# KiCad board MainPCB.kicad_pcb
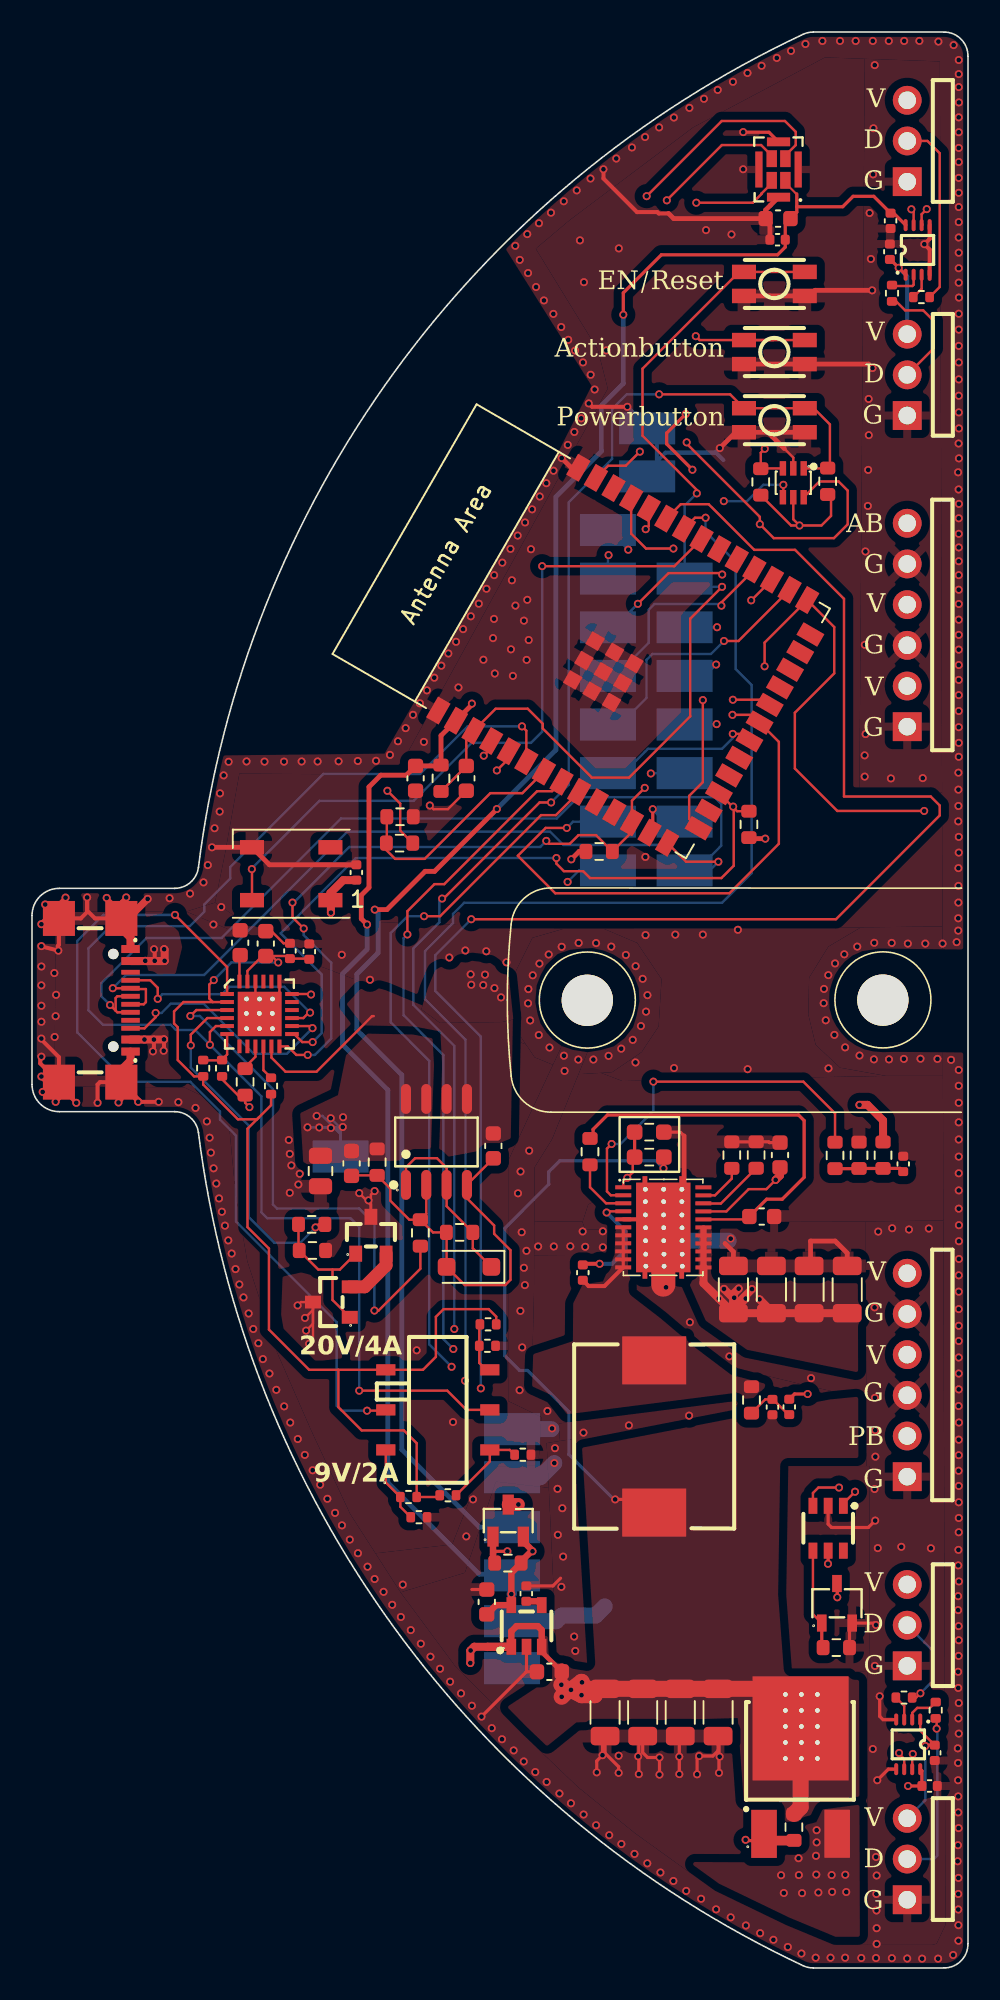
[diagram p0: board, top side]
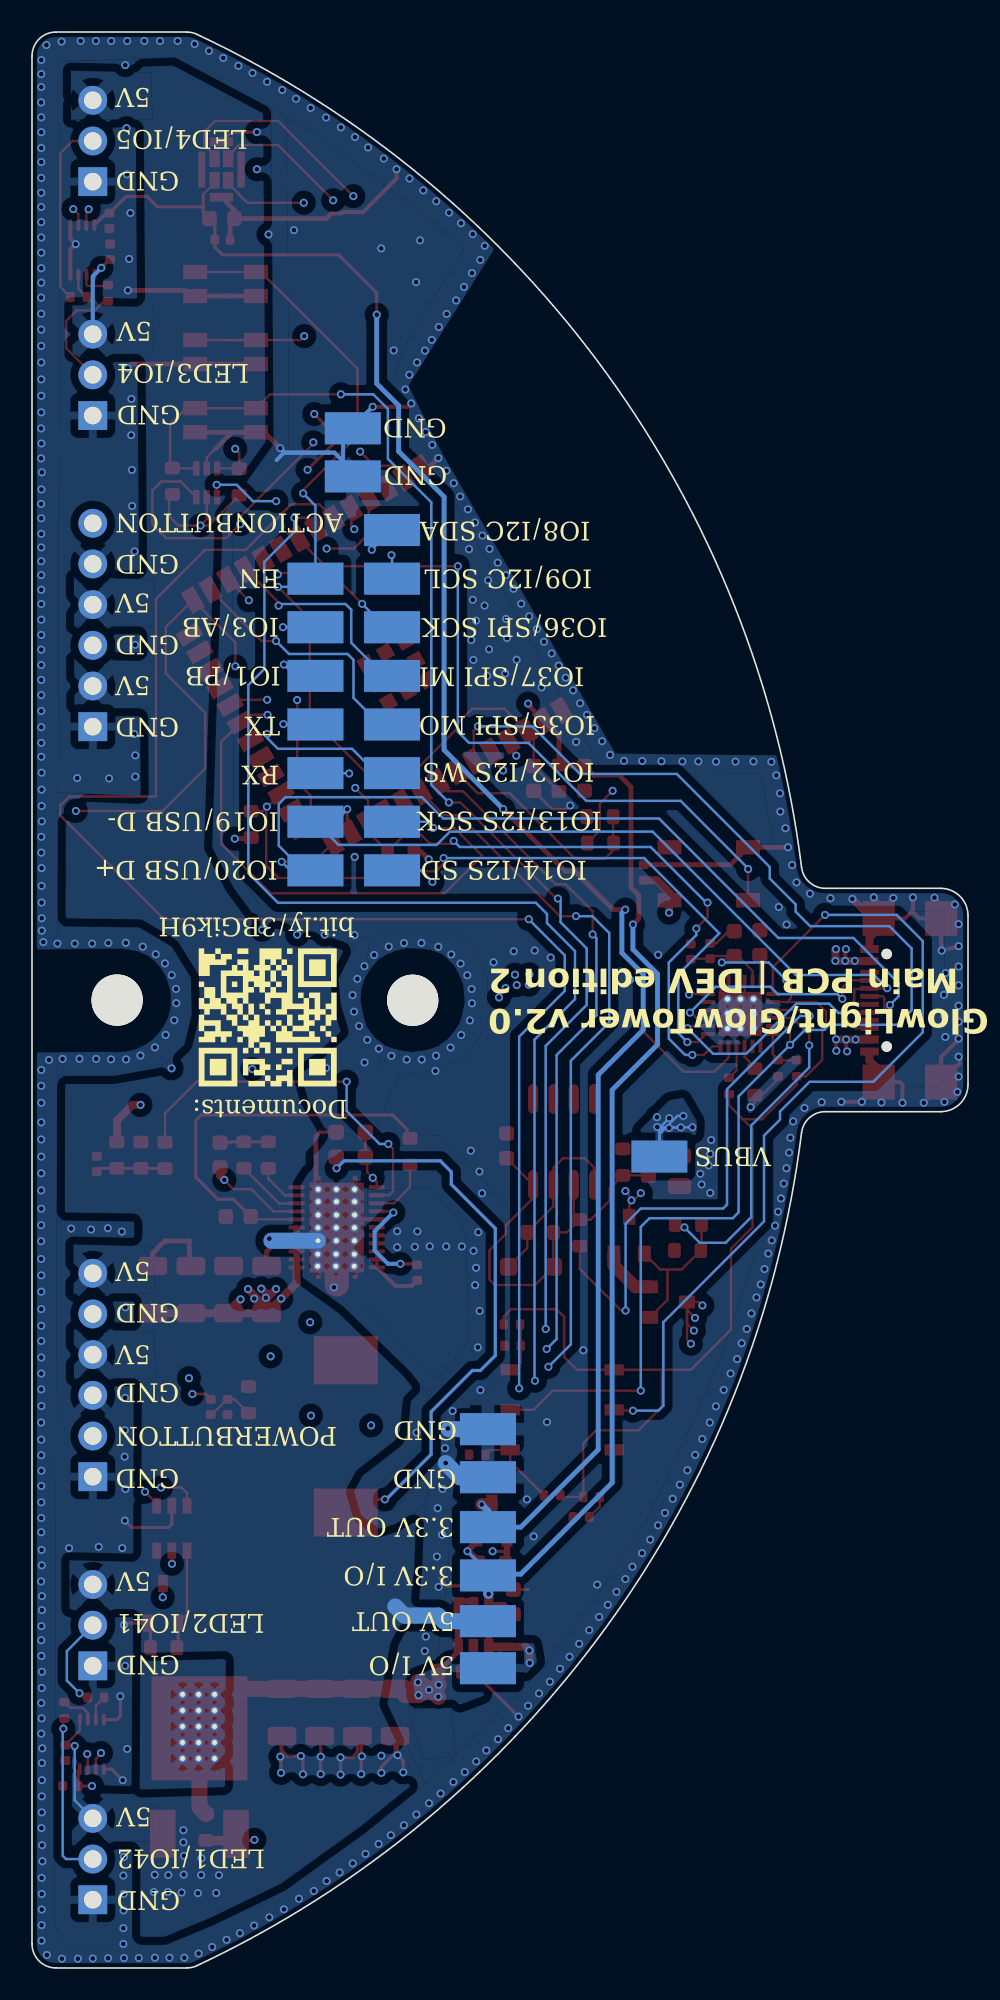
[diagram p1: board, bottom side, seen from below]

Outline 58.48 x 120.86 mm; copper layers: Top, In1.Cu, In2.Cu, Bottom. Coordinates in mm from the lower left corner of the outline.
Outline path: 0,65.7 0,55.16 arc(0.5,53.96) 1.7,53.46 8.91,53.46 arc(9.9,53.08) 10.4,52.14 arc(22.6,21.28) 48.18,0.14 arc(48.49,0.04) 48.82,0 56.98,0 arc(58.04,0.44) 58.48,1.5 58.48,119.36 arc(58.04,120.42) 56.98,120.86 48.82,120.86 arc(48.49,120.82) 48.18,120.71 arc(22.6,99.57) 10.4,68.71 arc(9.9,67.77) 8.91,67.4 1.7,67.4 arc(0.5,66.9) 0,65.7
Stack: Top 0.035mm / dielectric 0.1mm FR4 er 4.5 / In1.Cu 0.035mm / dielectric 1.24mm FR4 er 4.5 / In2.Cu 0.035mm / dielectric 0.1mm FR4 er 4.5 / Bottom 0.035mm

## Placement (name value [footprint] x y rotation side)
C1  3.3uF  [C_0805_2012Metric]  18.03 49.75 90 top
C2  1uF  [C_0603_1608Metric]  19.97 50.23 270 top
C3  1uF  [C_0603_1608Metric]  13.01 64.01 270 top
C4  1uF  [C_0603_1608Metric]  28.83 51.32 270 top
C5  1uF  [C_0603_1608Metric]  14.61 63.95 270 top
C6  0.1uF  [C_0402_1005Metric]  16.12 63.49 270 top
C7  0.1uF  [C_0402_1005Metric]  17.33 63.45 270 top
C12  22uF X5R  [C_1206_3216Metric]  50.94 42.35 90 top
C13  1uF  [C_0603_1608Metric]  46.74 50.75 270 top
C14  22uF X5R  [C_1206_3216Metric]  43.83 42.35 90 top
C15  1uF  [C_0603_1608Metric]  45.6 46.91 180 top
C16  22uF X5R  [C_1206_3216Metric]  46.2 42.35 90 top
C17  4.7uF  [C_1206_3216Metric]  48.56 42.35 90 top
C18  220uF  [C_1206_3216Metric]  42.87 15.95 270 top
C19  10uF  [C_0603_1608Metric]  23.97 74.27 90 top
C20  10uF  [C_0603_1608Metric]  32.33 18.49 0 top
C21  0.1uF  [C_0402_1005Metric]  56.41 13.43 90 top
C22  10nF  [C_0402_1005Metric]  30.89 23.37 270 top
C23  0.1uF  [C_0402_1005Metric]  56.09 11.36 180 top
C24  10uF  [C_0603_1608Metric]  28.42 22.85 270 top
C25  1uF  [C_0603_1608Metric]  27.14 74.27 90 top
C26  0.1uF  [C_0402_1005Metric]  46.59 107.89 0 top
C27  10uF  [C_0603_1608Metric]  46.62 109.21 0 top
C28  0.1uF  [C_0402_1005Metric]  53.6 107.14 270 top
C29  0.1uF  [C_0402_1005Metric]  53.65 109.07 90 top
C30  0.1uF  [C_0402_1005Metric]  20.27 68.39 270 top
C31  220uF  [C_1206_3216Metric]  40.51 15.95 270 top
C32  220uF  [C_1206_3216Metric]  38.16 15.95 270 top
C33  220uF  [C_1206_3216Metric]  35.81 15.95 270 top
C35  0.1uF  [C_0402_1005Metric]  46.27 35.02 270 top
C36  1nF  [C_0402_1005Metric]  47.32 35.03 270 top
C37  0.1uF  [C_0402_1005Metric]  34.42 43.41 270 top
C38  1nF  [C_0402_1005Metric]  54.44 50.2 90 top
D1  BZT52C10  [D_SOD-123F]  27.3 43.77 180 top
D2  WS2812B  [LED_WS2812B_PLCC4_5.0x5.0mm_P3.2mm]  16.2 68.31 180 top
G***  -  [LOGO]  43.76 59.34 0 bottom
H1  MountingHole  [MountingHole_3.2mm_M3]  34.7 60.41 0 top
H2  MountingHole  [MountingHole_3.2mm_M3]  53.17 60.42 0 top
IC1  CYPD3177-24LQXQ  [RT9471_vias_in_pad]  14.21 59.55 0 top
P1  Solder_Pad  [Solder pad]  30.05 21.73 90 bottom
P2  Solder_Pad  [Solder pad]  30.05 18.79 90 bottom
P3  Solder_Pad  [Solder pad]  29.95 33.56 270 bottom
P4  Solder_Pad  [Solder pad]  29.95 30.56 270 bottom
P5  Solder_Pad  [Solder pad]  38.39 96.04 270 bottom
P6  Solder_Pad  [Solder pad]  38.39 93.04 270 bottom
P8  Solder_Pad  [Solder pad]  35.94 89.69 270 bottom
P9  Solder_Pad  [Solder pad]  35.94 86.66 270 bottom
P18  Solder_Pad  [Solder pad]  35.94 74.52 270 bottom
P19  Solder_Pad  [Solder pad]  35.94 71.48 270 bottom
P20  Solder_Pad  [Solder pad]  35.94 68.45 270 bottom
P21  Solder_Pad  [Solder pad]  40.73 71.48 270 bottom
P22  Solder_Pad  [Solder pad]  40.73 68.45 270 bottom
P25  Solder_Pad  [Solder pad]  35.94 83.62 270 bottom
P26  Solder_Pad  [Solder pad]  35.94 80.59 270 bottom
P27  Solder_Pad  [Solder pad]  35.94 77.55 270 bottom
P28  Solder_Pad  [Solder pad]  40.73 77.55 270 bottom
P29  Solder_Pad  [Solder pad]  40.73 74.52 270 bottom
P30  Solder_Pad  [Solder pad]  40.73 86.66 270 bottom
P31  Solder_Pad  [Solder pad]  40.73 83.62 270 bottom
P32  Solder_Pad  [Solder pad]  40.73 80.59 270 bottom
P33  Solder_Pad  [Solder pad]  30.05 24.58 90 bottom
P34  Solder_Pad  [Solder pad]  30.05 27.6 90 bottom
P35  Solder_Pad  [Solder pad]  19.34 50.73 90 bottom
R1  100K  [R_0603_1608Metric]  13.32 55.32 270 top
R2  2K  [R_0402_1005Metric]  14.94 55.06 90 top
R3  2K  [R_0603_1608Metric]  35.44 69.7 0 top
R4  2K  [R_0603_1608Metric]  44.8 71.39 90 top
R5  100K  [R_0603_1608Metric]  22.97 70.22 180 top
R6  5.1K  [R_0402_1005Metric]  10.7 56.17 90 top
R7  10K  [R_0603_1608Metric]  21.57 50.31 90 top
R8  2.4K  [R_0402_1005Metric]  11.88 56.17 270 top
R9  1K  [R_0603_1608Metric]  24.27 45.89 90 top
R10  5.1K  [R_0402_1005Metric]  23.53 29.4 180 top
R11  1K  [R_0402_1005Metric]  24.18 28.14 180 top
R12  49.9K  [R_0603_1608Metric]  26.72 45.92 0 top
R13  5.1K  [R_0402_1005Metric]  28.5 40.18 180 top
R14  49.9K  [R_0603_1608Metric]  17.52 44.79 0 top
R15  1K  [R_0603_1608Metric]  17.48 46.42 180 top
R16  10K  [R_0402_1005Metric]  28.46 38.84 180 top
R17  20K  [R_0603_1608Metric]  23 71.87 0 top
R18  105K  [R_0603_1608Metric]  45.25 50.75 270 top
R19  100K  [R_0603_1608Metric]  50.26 20 180 top
R20  100K  [R_0603_1608Metric]  47.61 8.79 90 top
R22  1.8K  [R_0603_1608Metric]  44.96 35.46 90 top
R23  100K  [R_0603_1608Metric]  29.74 25.28 0 top
R24  62  [R_0402_1005Metric]  53.74 104.55 270 top
R25  62  [R_0402_1005Metric]  55.58 104.31 0 top
R26  62  [R_0402_1005Metric]  56.47 16.09 270 top
R27  62  [R_0402_1005Metric]  54.49 16.88 0 top
R28  100K  [R_0603_1608Metric]  49.72 92.81 270 top
R29  100K  [R_0603_1608Metric]  45.54 92.77 90 top
R30  5.1K  [R_0603_1608Metric]  25.56 74.27 270 top
R31  71.5K  [R_0603_1608Metric_Pad0.98x0.95mm_HandSolder]  38.57 50.62 180 top
R32  10K  [R_0603_1608Metric_Pad0.98x0.95mm_HandSolder]  38.57 52.18 0 top
R36  105K  [R_0603_1608Metric]  34.87 50.96 90 top
R38  150K  [R_0603_1608Metric]  43.73 50.75 270 top
R39  5.1K  [R_0402_1005Metric]  25.99 29.51 0 top
R40  2.4K  [R_0402_1005Metric]  30.67 32.04 0 top
R44  220K  [R_0603_1608Metric]  53.18 50.74 270 top
R45  51K  [R_0603_1608Metric]  51.68 50.74 90 top
R46  1K  [R_0603_1608Metric]  50.18 50.73 270 top
SW1  TS-1185EC-C-D-B  [SW-SMD_4P-L3.7-W3.0-P1.50-LS4.7]  46.39 96.62 180 top
SW2  TS-1185EC-C-D-B  [SW-SMD_4P-L3.7-W3.0-P1.50-LS4.7]  46.39 100.88 180 top
SW3  SK-3245S-L3-B  [SW-SMD_SK-3245S-L3-B]  25.08 34.84 90 top
SW4  TS-1185EC-C-D-B  [SW-SMD_4P-L3.7-W3.0-P1.50-LS4.7]  46.39 105.13 180 top
U1  SN74LVC1G373DBVR  [SOT-23-6_L2.9-W1.6-P0.95-LS2.8-BR]  49.75 27.45 90 top
U2  HSM4805  [SOP-8_L4.9-W3.9-P1.27-LS6.0-BL]  25.27 51.57 0 top
U3  AO3401A  [SOT-23_L2.9-W1.3-P1.90-LS2.4-BR]  21.18 45.74 270 top
U4  AO3401A  [SOT-23_L2.9-W1.3-P1.90-LS2.4-BR]  18.71 41.57 0 top
U5  TYPE-C-31-M-22  [USB-C-SMD_TYPE-C-31-M-22]  2.65 60.41 270 top
U6  TPS53319DQPR  [LSON-CLIP-22_L6.0-W5.0-P0.50-BL-EP]  39.45 46.23 270 top
U7  MSM261D4030H1CPM  [MIC-SMD_8P-L4.0-W3.0_ZTS6231]  46.64 112.28 0 top
U9  VBE2625  [TO-252-2_L6.6-W6.1-P4.57-LS10.1-BL-1]  47.99 12.49 0 top
U11  AP40P05  [SOT-23-3_L2.9-W1.3-P1.90-LS2.4-BR]  29.76 27.93 270 top
U12  AO3400A  [SOT-23-3_L2.9-W1.6-P1.90-LS2.8-BR]  50.3 22.77 270 top
U13  SPX3819M5-L-3-3_TR  [SOT-23-5_L3.0-W1.7-P0.95-LS2.8-BR]  30.9 21.35 270 top
U14  SN74LVC2T45DCUR  [VSSOP-8_L2.4-W2.1-P0.50-LS3.2-BR]  54.76 13.96 90 top
U15  74LVC2G04DW-7  [SOT-363_L2.0-W1.3-P0.65-LS2.1-BR]  47.57 92.72 90 top
U16  X6511WR-03H-C30D60-R2  [HDR-TH_3P-P2.54-H-M-W10.4]  59.89 6.8 90 top
U17  X6511WR-03H-C30D60-R2  [HDR-TH_3P-P2.54-H-M-W10.4]  59.89 21.4 90 top
U18  X6511WR-03H-C30D60-R2  [HDR-TH_3P-P2.54-H-M-W10.4]  59.89 99.46 90 top
U19  X6511WR-03H-C30D60-R2  [HDR-TH_3P-P2.54-H-M-W10.4]  59.89 114.06 90 top
U20  MDA1050-2R2M  [IND-SMD_L11.5-W10.0_MCF-1050]  38.88 33.18 90 top
U21  X6511WR-06H-C30D60-R2  [HDR-TH_6P-P2.54-H-M-W10.4]  59.74 83.84 90 top
U22  X6511WR-06H-C30D60-R2  [HDR-TH_6P-P2.54-H-M-W10.4]  59.74 37.02 90 top
U23  ESP32-S3-WROOM-1-N8  [ESP32-S3-WROOM-1]  36.92 81.95 60 top
U24  SN74LVC2T45DCUR  [VSSOP-8_L2.4-W2.1-P0.50-LS3.2-BR]  55.33 107.25 270 top

## Library data of the parts
C1 = -: Description: Unpolarized capacitor; LCSC #: C342775
C2-C5 C13 C15 C25 = -: Description: Unpolarized capacitor; LCSC #: C15849
C6 C7 C21 C23 C26 C28-C30 C35 C37 = -: Description: Unpolarized capacitor; LCSC #: C307331
C12 C14 C16 = -: Description: Unpolarized capacitor; LCSC #: C12891
C17 = -: Description: Unpolarized capacitor; LCSC #: C29823
C18 C31-C33 = -: Description: Unpolarized capacitor; LCSC #: C412252
C19 = -: Description: Unpolarized capacitor; 100+: €0.0537; LCSC #: C96446
C20 C24 C27 = -: Description: Unpolarized capacitor; LCSC #: C96446
C22 = -: Description: Unpolarized capacitor; LCSC #: C15195
C36 C38 = -: Description: Unpolarized capacitor; LCSC #: C1523
D1 = -: Description: 500mW Zener Diode, SOD-123F; LCSC #: C2891778
D2 = -: Description: RGB LED with integrated controller; LCSC #: C2843785
H1 H2 = -: Description: Mounting Hole without connection
IC1 = -: Description: USB Interface IC USB Type-C port controller  CYPD3177; LCSC #: C2959321
R1 R5 R19 R20 R23 R28 R29 = -: Description: Resistor; LCSC #: C25803
R2 = -: Description: Resistor; LCSC #: C4109
R3 R4 = -: Description: Resistor; LCSC #: C22975
R6 R10 R13 R39 = -: Description: Resistor; LCSC #: C25905
R7 R32 = -: Description: Resistor; LCSC #: C25804
R8 R40 = -: Description: Resistor; LCSC #: C25882
R9 R15 R46 = -: Description: Resistor; LCSC #: C21190
R11 = -: Description: Resistor; LCSC #: C11702
R12 R14 = -: Description: Resistor; LCSC #: C23184
R16 = -: Description: Resistor; LCSC #: C25744
R17 = -: Description: Resistor; LCSC #: C4184
R18 R36 = -: Description: Resistor; LCSC #: C325596
R22 = -: Description: Resistor; LCSC #: C4177
R24-R27 = -: Description: Resistor; LCSC #: C4962
R30 = -: Description: Resistor; LCSC #: C23186
R31 = -: Description: Resistor; LCSC #: C228040
R38 = -: Description: Resistor; LCSC #: C22807
R44 = -: Description: Resistor; LCSC #: C22961
R45 = -: Description: Resistor; LCSC #: C23196
SW1 SW2 SW4 = -: LCSC #: C318893
SW3 = -: LCSC #: C405954
U1 = -: LCSC #: C128413
U2 = -: LCSC #: C700973
U3 U4 = -: LCSC #: C15127
U5 = -: LCSC #: C530612
U6 = -: LCSC #: C181971
U7 = -: LCSC #: C966942
U9 = -: LCSC #: C416266
U11 = -: LCSC #: C2886385
U12 = -: LCSC #: C20917
U13 = -: LCSC #: C9055
U14 U24 = -: LCSC #: C15741
U15 = -: LCSC #: C69053
U16-U19 = -: LCSC #: C706866
U20 = -: LCSC #: C2847559
U21 U22 = -: LCSC #: C706869
U23 = -: Description: 2.4 GHz WiFi (802.11 b/g/n) and Bluetooth ® 5 (LE) module Built around ESP32S3 series of SoCs, Xtensa ® dualcore 32bit LX7 microprocessor Flash up to 16 MB, PSRAM up to 8 MB 36 GPIOs, rich set of peripherals Onboard PCB antenna; LCSC #: C2913198

## Footprints (pads in the part's own frame, mm; a bottom-side part is the same pattern mirrored in y, then rotated)
C_0402_1005Metric
  rrect 0.56x0.62 smd: 1(-0.48,0) 2(0.48,0)
C_0603_1608Metric
  rrect 0.9x0.95 smd: 1(-0.775,0) 2(0.775,0)
C_0805_2012Metric
  rrect 1x1.45 smd: 1(-0.95,0) 2(0.95,0)
C_1206_3216Metric
  rrect 1.15x1.8 smd: 1(-1.475,0) 2(1.475,0)
D_SOD-123F
  rrect 1.1x1.1 smd: 1(-1.4,0) 2(1.4,0)
ESP32-S3-WROOM-1
  rect 1.5x0.9 smd: 1(-8.75,8.26) 2(-8.75,6.99) 3(-8.75,5.72) 4(-8.75,4.45) 5(-8.75,3.18) 6(-8.75,1.91) 7(-8.75,0.64) 8(-8.75,-0.63) 9(-8.75,-1.9) 10(-8.75,-3.17) 11(-8.75,-4.44) 12(-8.75,-5.71) 13(-8.75,-6.98) 14(-8.75,-8.25) 27(8.75,-8.25) 28(8.75,-6.98) 29(8.75,-5.71) 30(8.75,-4.44) 31(8.75,-3.17) 32(8.75,-1.9) 33(8.75,-0.63) 34(8.75,0.64) 35(8.75,1.91) 36(8.75,3.18) 37(8.75,4.45) 38(8.75,5.72) 39(8.75,6.99) 40(8.75,8.26)
  rect 0.9x1.5 smd: 15(-6.985,-9.5) 16(-5.715,-9.5) 17(-4.445,-9.5) 18(-3.175,-9.5) 19(-1.905,-9.5) 20(-0.635,-9.5) 21(0.635,-9.5) 22(1.905,-9.5) 23(3.175,-9.5) 24(4.445,-9.5) 25(5.715,-9.5) 26(6.985,-9.5)
  rect 0.9x0.9 smd: 41(-2.9,1.94) 41(-2.9,0.54) 41(-2.9,-0.86) 41(-1.5,1.94) 41(-1.5,0.54) 41(-1.5,-0.86) 41(-0.1,0.54) 41(-0.1,1.94) 41(-0.1,-0.86)
HDR-TH_3P-P2.54-H-M-W10.4
  rect 1.8x1.8 hole 1.1: 1(-2.54,5.2)
  round 1.8 hole 1.1: 2(0,5.2) 3(2.54,5.2)
HDR-TH_6P-P2.54-H-M-W10.4
  rect 1.8x1.8 hole 1.1: 1(-6.35,5.05)
  round 1.8 hole 1.1: 2(-3.81,5.05) 3(-1.27,5.05) 4(1.27,5.05) 5(3.81,5.05) 6(6.35,5.05)
IND-SMD_L11.5-W10.0_MCF-1050
  rect 3x4 smd: 1(-4.75,0) 2(4.75,0)
LED_WS2812B_PLCC4_5.0x5.0mm_P3.2mm
  rect 1.5x0.9 smd: 1(-2.45,1.65) 2(-2.45,-1.65) 3(2.45,-1.65) 4(2.45,1.65)
LSON-CLIP-22_L6.0-W5.0-P0.50-BL-EP
  rect 0.25x1 smd: 1(-2.506,-2.502) 2(-2.006,-2.502) 3(-1.506,-2.502) 4(-1.006,-2.502) 5(-0.506,-2.502) 6(-0.006,-2.502) 7(0.494,-2.502) 8(0.992,-2.509) 9(1.495,-2.506) 10(1.994,-2.508) 11(2.494,-2.508) 12(2.498,2.509) 13(1.997,2.505) 14(1.497,2.504) 15(0.998,2.504) 16(0.497,2.504) 17(-0.002,2.505) 18(-0.502,2.505) 19(-1.002,2.505) 20(-1.504,2.502) 21(-2.002,2.503) 22(-2.502,2.505)
  round 0.5 hole 0.3: 23(-2.38,1.16) 23(-2.38,0.02) 23(-2.38,-1.12) 23(-1.61,1.16) 23(-1.61,0.02) 23(-1.61,-1.12) 23(-0.78,1.16) 23(-0.78,0.02) 23(-0.78,-1.12) 23(0.02,1.17) 23(0.02,0.03) 23(0.02,-1.11) 23(0.83,1.17) 23(0.83,0.03) 23(0.83,-1.11) 23(1.67,1.18) 23(1.67,0.04) 23(1.67,-1.1) 23(2.42,1.19) 23(2.42,0.05) 23(2.42,-1.09)
  custom 6.4x6.4 smd: 23(0.001,0)
MIC-SMD_8P-L4.0-W3.0_ZTS6231
  rect 0.65x1.05 smd: 1(0.435,-0.678) 2(0.435,0.672) 3(-0.415,0.672) 4(-0.415,-0.678)
  rect 1.45x0.55 smd: 5(0.01,-1.729) 7(0.01,1.723)
  rect 0.45x2.25 smd: 6(1.236,-0.003) 8(-1.215,-0.003)
MountingHole_3.2mm_M3
  round 3.2 hole 3.2 unplated: (0,0)
R_0402_1005Metric
  rrect 0.54x0.64 smd: 1(-0.51,0) 2(0.51,0)
R_0603_1608Metric
  rrect 0.8x0.95 smd: 1(-0.825,0) 2(0.825,0)
R_0603_1608Metric_Pad0.98x0.95mm_HandSolder
  rrect 0.975x0.95 smd: 1(-0.912,0) 2(0.912,0)
RT9471_vias_in_pad
  rect 0.85x0.25 smd: 1(-2.015,1.251) 2(-2.015,0.75) 3(-2.015,0.25) 4(-2.015,-0.25) 5(-2.015,-0.748) 6(-2.015,-1.249) 13(2.035,-1.249) 14(2.035,-0.748) 15(2.035,-0.25) 16(2.035,0.25) 17(2.035,0.75) 18(2.035,1.251)
  rect 0.25x0.85 smd: 7(-1.243,-2.019) 8(-0.746,-2.019) 9(-0.246,-2.019) 10(0.255,-2.019) 11(0.755,-2.019) 12(1.256,-2.019) 19(1.256,2.031) 20(0.755,2.031) 21(0.255,2.031) 22(-0.246,2.031) 23(-0.746,2.031) 24(-1.243,2.031)
  round 0.5 hole 0.3: 25(-0.81,0.04) 25(-0.8,0.94) 25(-0.8,-0.91) 25(0,0.04) 25(0.01,0.94) 25(0.01,-0.91) 25(0.81,0.04) 25(0.82,0.94) 25(0.82,-0.91)
  rect 2.74x2.77 smd: 25(0.02,0.005)
Solder pad
  rect 2x3.5 smd: 1(-0.076,-0.051)
SOP-8_L4.9-W3.9-P1.27-LS6.0-BL
  oval 0.63x1.865 smd: 1(-1.905,-2.682) 2(-0.635,-2.682) 3(0.635,-2.682) 4(1.905,-2.682) 5(1.905,2.682) 6(0.635,2.682) 7(-0.635,2.682) 8(-1.905,2.682)
SOT-23-3_L2.9-W1.3-P1.90-LS2.4-BR
  rect 1.25x0.7 smd: 1(1,-0.95) 2(1,0.95) 3(-1,0)
SOT-23-3_L2.9-W1.6-P1.90-LS2.8-BR
  rect 1.07x0.6 smd: 1(1.235,-0.95) 2(1.235,0.95) 3(-1.235,0)
SOT-23-5_L3.0-W1.7-P0.95-LS2.8-BR
  rect 1x0.6 smd: 1(1.3,-0.95) 2(1.3,0) 3(1.3,0.95) 4(-1.3,0.95) 5(-1.3,-0.95)
SOT-23-6_L2.9-W1.6-P0.95-LS2.8-BR
  rect 1x0.55 smd: 1(1.4,-0.95) 2(1.4,0) 3(1.4,0.95) 4(-1.4,0.95) 5(-1.4,0) 6(-1.4,-0.95)
SOT-23_L2.9-W1.3-P1.90-LS2.4-BR
  rect 1x0.8 smd: 1(1.15,-0.95) 2(1.15,0.95) 3(-1.15,0)
SOT-363_L2.0-W1.3-P0.65-LS2.1-BR
  rect 0.9x0.4 smd: 1(0.9,-0.65) 2(0.9,0) 3(0.9,0.65) 4(-0.9,0.65) 5(-0.9,0) 6(-0.9,-0.65)
SW-SMD_4P-L3.7-W3.0-P1.50-LS4.7
  rect 1.5x0.9 smd: 1(-1.9,0.75) 1(1.9,0.75) 2(-1.9,-0.75) 2(1.9,-0.75)
SW-SMD_SK-3245S-L3-B
  rect 0.7x1.2 smd: 1(-2.5,2.97) 2(0,2.97) 3(2.5,2.97) 4(-2.5,-3.53) 5(0,-3.53) 6(2.5,-3.53)
TO-252-2_L6.6-W6.1-P4.57-LS10.1-BL-1
  rect 1.6x3 smd: 1(-2.247,-4.114) 3(2.323,-4.108)
  round 0.5 hole 0.3: 2(-0.91,4.59) 2(-0.91,3.59) 2(-0.91,2.59) 2(-0.91,1.59) 2(-0.91,0.59) 2(0.09,4.59) 2(0.09,3.59) 2(0.09,2.59) 2(0.09,1.59) 2(0.09,0.59) 2(1.09,4.59) 2(1.09,3.59) 2(1.09,2.59) 2(1.09,1.59) 2(1.09,0.59)
  rect 6x6.5 smd: 2(0.038,2.47)
USB-C-SMD_TYPE-C-31-M-22
  round 0.65 hole 0.65 unplated: (-2.89,2.436) (2.89,2.436)
  rect 0.5x1.15 smd: 1(-3.2,3.511) 2(-2.45,3.511) 11(2.45,3.511) 12(3.2,3.511)
  rect 0.3x1.15 smd: 3(-1.749,3.511) 4(-1.249,3.511) 5(-0.751,3.511) 6(-0.251,3.511) 7(0.25,3.511) 8(0.75,3.511) 9(1.25,3.511) 10(1.75,3.511)
  rect 2.18x2 smd: 13(5.11,2.936) 14(5.11,-0.964) 15(-5.11,-0.964) 16(-5.11,2.936)
VSSOP-8_L2.4-W2.1-P0.50-LS3.2-BR
  oval 0.75x0.25 smd: 1(1.55,-0.742) 2(1.55,-0.242) 3(1.55,0.258) 4(1.55,0.758) 5(-1.55,0.758) 6(-1.55,0.258) 7(-1.55,-0.242) 8(-1.55,-0.742)

## Nets
3.3V AFTER MOSFET: C23.2 C26.2 C27.2 C29.2 P34.1 U7.1 U11.3 U14.8 U24.8
5V AFTER MOSFET: C21.2 C28.2 P1.1 U9.3 U14.1 U16.3 U17.3 U18.3 U19.3 U21.2 U21.4 U22.4 U22.6 U24.1
+1V8: C3.2 IC1.24
+3.3V: C19.2 C24.2 P33.1 R3.1 R4.1 R23.2 R28.2 R29.1 R30.1 U1.5 U11.2 U13.5 U15.5 U23.2
+5V: C18.1 C20.2 C30.2 C31.1 C32.1 C33.1 C35.2 D2.1 P2.1 R20.2 R31.1 U4.3 U9.2 U13.1 U13.3 U20.1
GND: C1.1 C3.1 C5.1 C6.1 C7.1 C12.2 C13.1 C14.2 C15.1 C16.2 C17.2 C18.2 C19.1 C20.1 C21.1 C22.1 C23.1 C24.1 C25.1 C26.1 C27.1 C28.1 C29.1 C30.1 C31.2 C32.2 C33.2 C38.2 D2.3 IC1.19 IC1.22 IC1.25 P3.1 P4.1 P5.1 P6.1 R1.2 R8.2 R11.1 R16.1 R17.2 R18.1 R19.1 R32.2 R38.1 R40.2 R45.2 SW1.1 SW2.1 SW4.1 U1.2 U5.1 U5.12 U5.13 U5.14 U5.15 U5.16 U6.5 U6.23 U7.5 U7.6 U7.7 U7.8 U12.2 U13.2 U14.4 U14.5 U15.2 U16.1 U17.1 U18.1 U19.1 U21.1 U21.3 U21.5 U22.1 U22.3 U22.5 U23.1 U23.40 U23.41 U24.4 U24.5
VBUS: C1.2 C2.1 IC1.18 P35.1 R5.1 R7.2 R14.2 U2.7 U2.8 U3.3 U5.2 U5.11
ACTIONBUTTON_EXTERNAL: R29.2 SW2.2 U15.3 U21.6 U23.27
EN: C25.2 P30.1 R30.2 SW4.2 U23.3
IO1/POWERBUTTON: P32.1 U15.6 U23.39
IO3/ACTIONBUTTON: P31.1 U15.4 U23.15
IO4/LED3: U23.4 U24.7
IO5/LED4: U23.5 U24.6
IO6/USB PD AMPS DETECTION: IC1.5 SW3.5 U23.6
IO7/USB PD VOLTS DETECTION: R5.2 R17.1 U23.7
IO8/I2C SDA: IC1.12 P8.1 R3.2 U23.12
IO9/I2C SCL: IC1.13 P9.1 R4.2 U23.17
IO12/I2S WS: P18.1 U7.2 U23.20
IO13/I2S SCK: P19.1 U7.3 U23.21
IO14/I2S SD: P20.1 U7.4 U23.22
IO15/LED LETCH EN: U1.1 U23.8
IO16/POWERMOSFETS: U1.3 U23.9
IO19/USB D-: P21.1 U5.5 U5.7 U23.13
IO20/USB D+: P22.1 U5.6 U5.8 U23.14
IO35/SPI MO: P27.1 U23.28
IO36/SPI SCK: P25.1 U23.29
IO37/SPI MI: P26.1 U23.30
IO40/STATUS LED DATA: D2.4 U23.33
IO41/LED2: U14.6 U23.34
IO42/LED1: U14.7 U23.35
LED1 DATA OUT: R26.2 U16.2
LED2 DATA OUT: R27.2 U17.2
LED3 DATA OUT: R24.2 U18.2
LED4 DATA OUT: R25.2 U19.2
POWERBUTTON_EXTERNAL: R28.1 SW1.2 U15.1 U22.2
RXD0: P29.1 U23.36
STEPDOWN_EN: R46.1 U6.2
STEPDOWN_PGOOD: R36.1 U6.3
STEPDOWN_VFB: C36.1 R31.2 R32.1 U6.1
STEPDOWN_VREG: C15.2 R36.2 U6.18
TXD0: P28.1 U23.37
USB-C CC1: IC1.15 U5.4
USB-C CC2: IC1.14 U5.10
USB_PD_IC 3.3V: C5.2 C6.2 C7.2 IC1.2 IC1.23 R2.1 R6.1 R10.1 R13.1 R39.1 SW3.3
USB_PD_IC_FAULT: IC1.9 R1.1
USB_PD_IC_FET_GATE: C2.2 C4.2 D1.2 R7.1 R9.2 R12.1 U2.2 U2.4
USB_PD_IC_FET_SRC: D1.1 R12.2 U2.1 U2.3
USB_PD_IC_FLIP: IC1.10 R2.2
USB_PD_IC_ISNK_FINE: IC1.6 R6.2 R8.1
USB_PD_IC_SAFE_PWR_EN: IC1.4 R15.1
USB_PD_IC_VBUS_FET_EN: IC1.3 R9.1
USB_PD_IC_VBUS_MIN: IC1.1 SW3.2
USB_PD_IC_VDC_OUT: C4.1 C12.1 C13.2 C14.1 C16.1 C17.1 IC1.11 R44.1 U2.5 U2.6 U6.12 U6.13 U6.14 U6.15 U6.16 U6.17 U6.19
Net-(C35-Pad1): C35.1 C36.2 R22.1
Net-(C37-Pad2): C37.2 R22.2 U6.6 U6.7 U6.8 U6.9 U6.10 U6.11 U20.2
Net-(C38-Pad1): C38.1 R44.2 R45.1 R46.2
Net-(R10-Pad2): R10.2 R11.2 SW3.1
Net-(R13-Pad2): R13.2 R16.2 SW3.6
Net-(R39-Pad2): R39.2 R40.1 SW3.4
Net-(U1-Q): R19.2 U1.4 U12.1
Net-(U3-G): R14.1 R15.2 U3.1 U4.1
Net-(U3-S): U3.2 U4.2
Net-(U6-MODE): R18.2 U6.20
Net-(U6-TRIP): R38.2 U6.21
Net-(U6-VBST): C37.1 U6.4
Net-(U11-G): R20.1 R23.1 U9.1 U11.1 U12.3
Net-(U13-BYP): C22.2 U13.4
Net-(U14-A1): R26.1 U14.2
Net-(U14-A2): R27.1 U14.3
Net-(U24-A1): R24.1 U24.2
Net-(U24-A2): R25.1 U24.3

Pads without a net: D2 2; IC1 7 8 16 17 20 21; U1 6; U5 3 9; U6 22; U23 10 11 16 18 19 23 24 25 26 31 32 38

## Via types
v1: diameter 0.5, hole 0.3, Top to Bottom, 678 vias
